# Altium PCB DB10005_BMS.PcbDoc (part 1 of 2)
Units mm, origin at the board's own origin, x right, y up, seen from the top; angles counter-clockwise.
Board outline 100 x 75 mm, 4 copper layers (L1, L2, L3, L4), stack 1.446 mm thick; 270 components, 190 nets, 878 pads, 0 vias.
Unrouted connection lines stored in the file: 462.
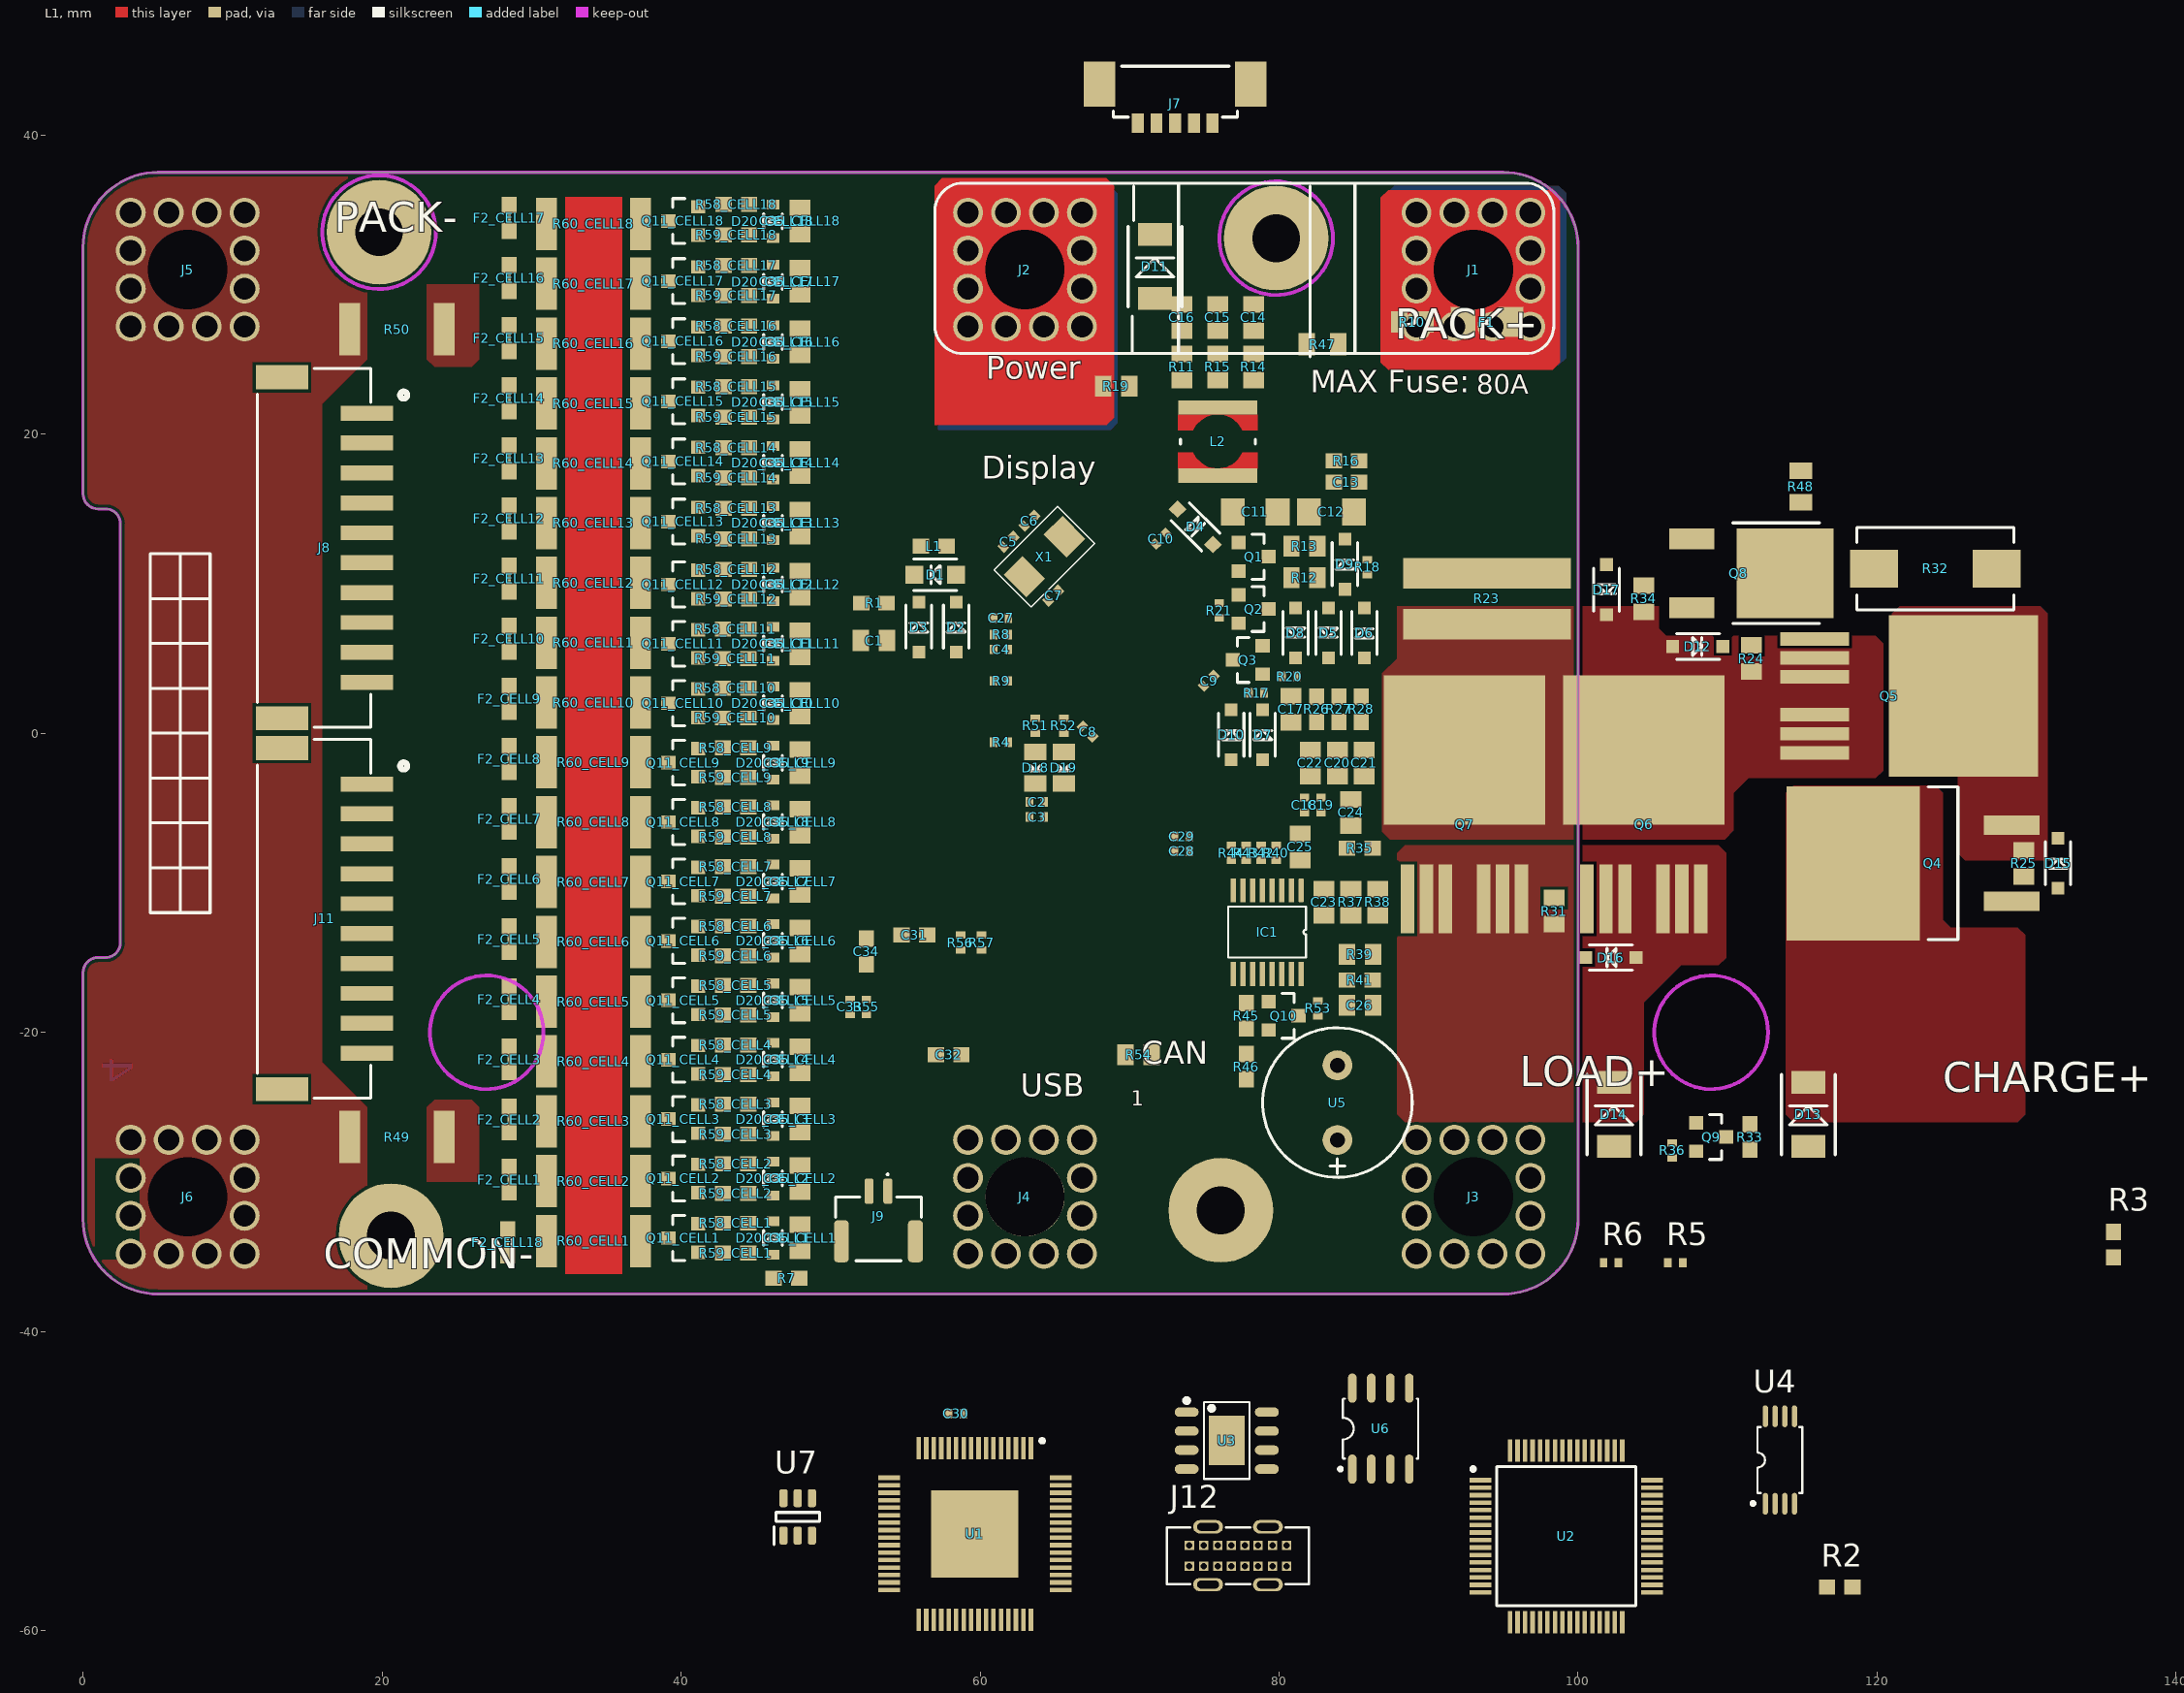
[diagram p0: L1 view]
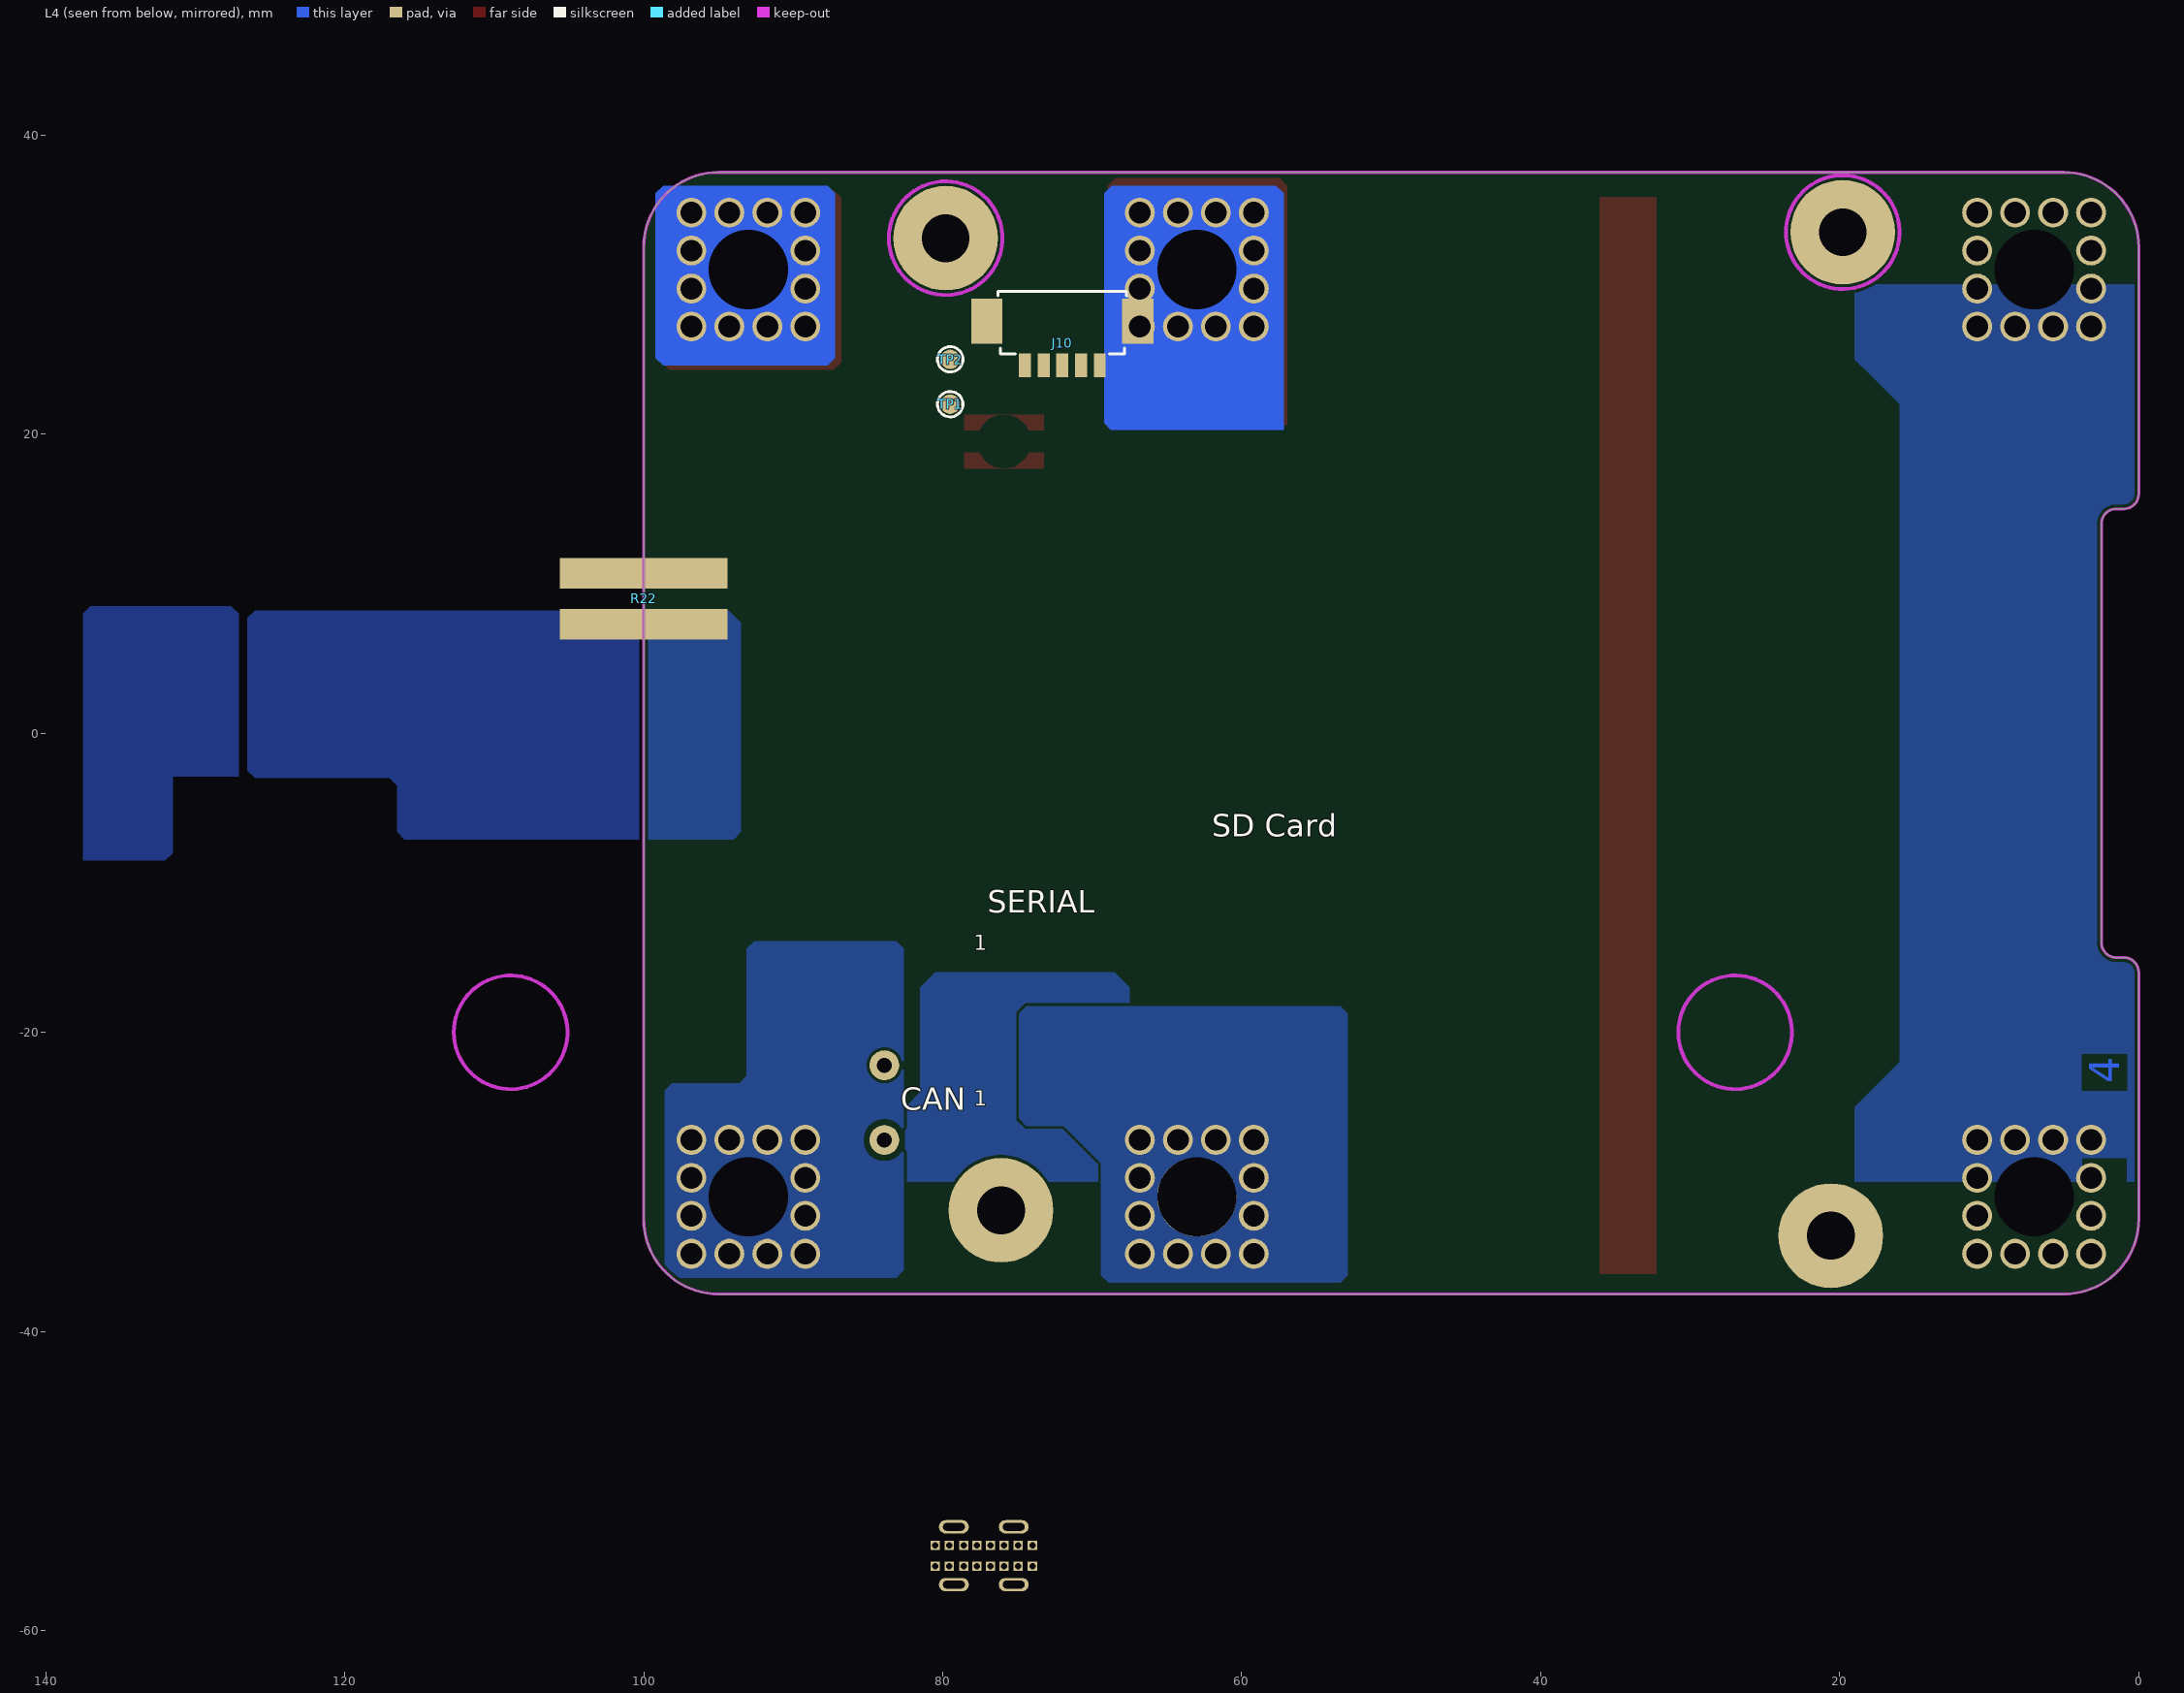
[diagram p1: L4 view, seen from below]
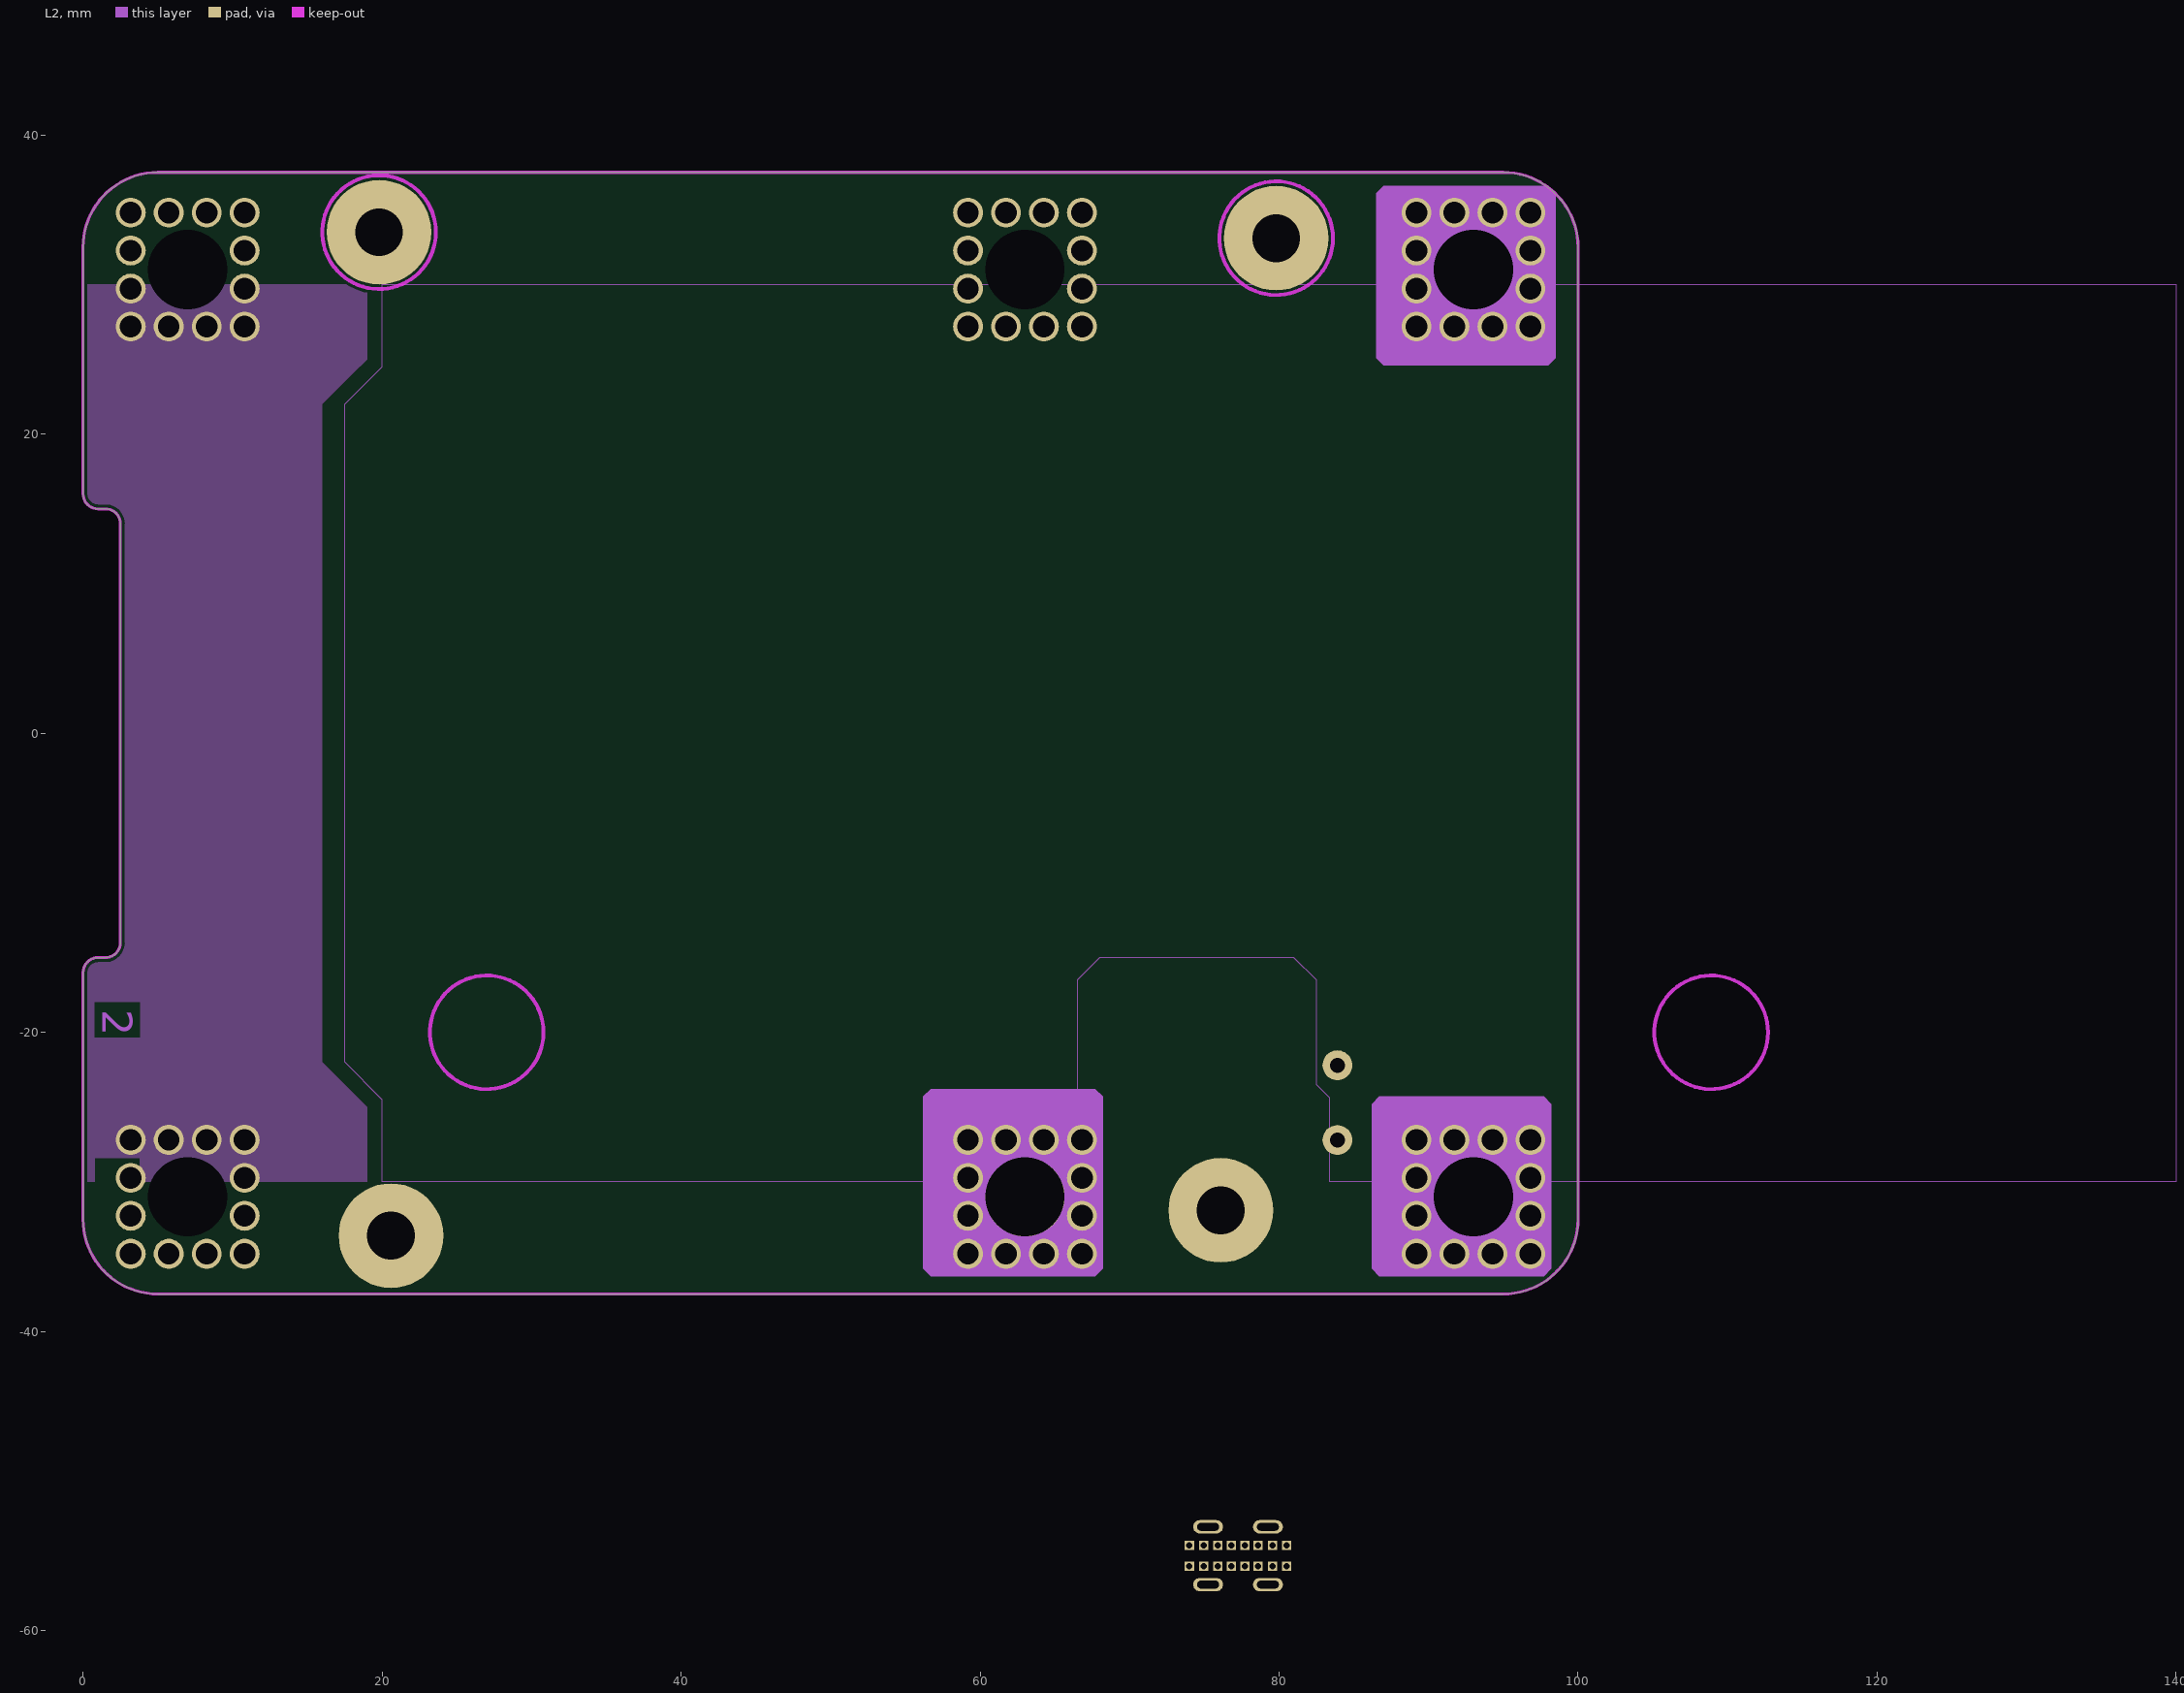
[diagram p2: L2]
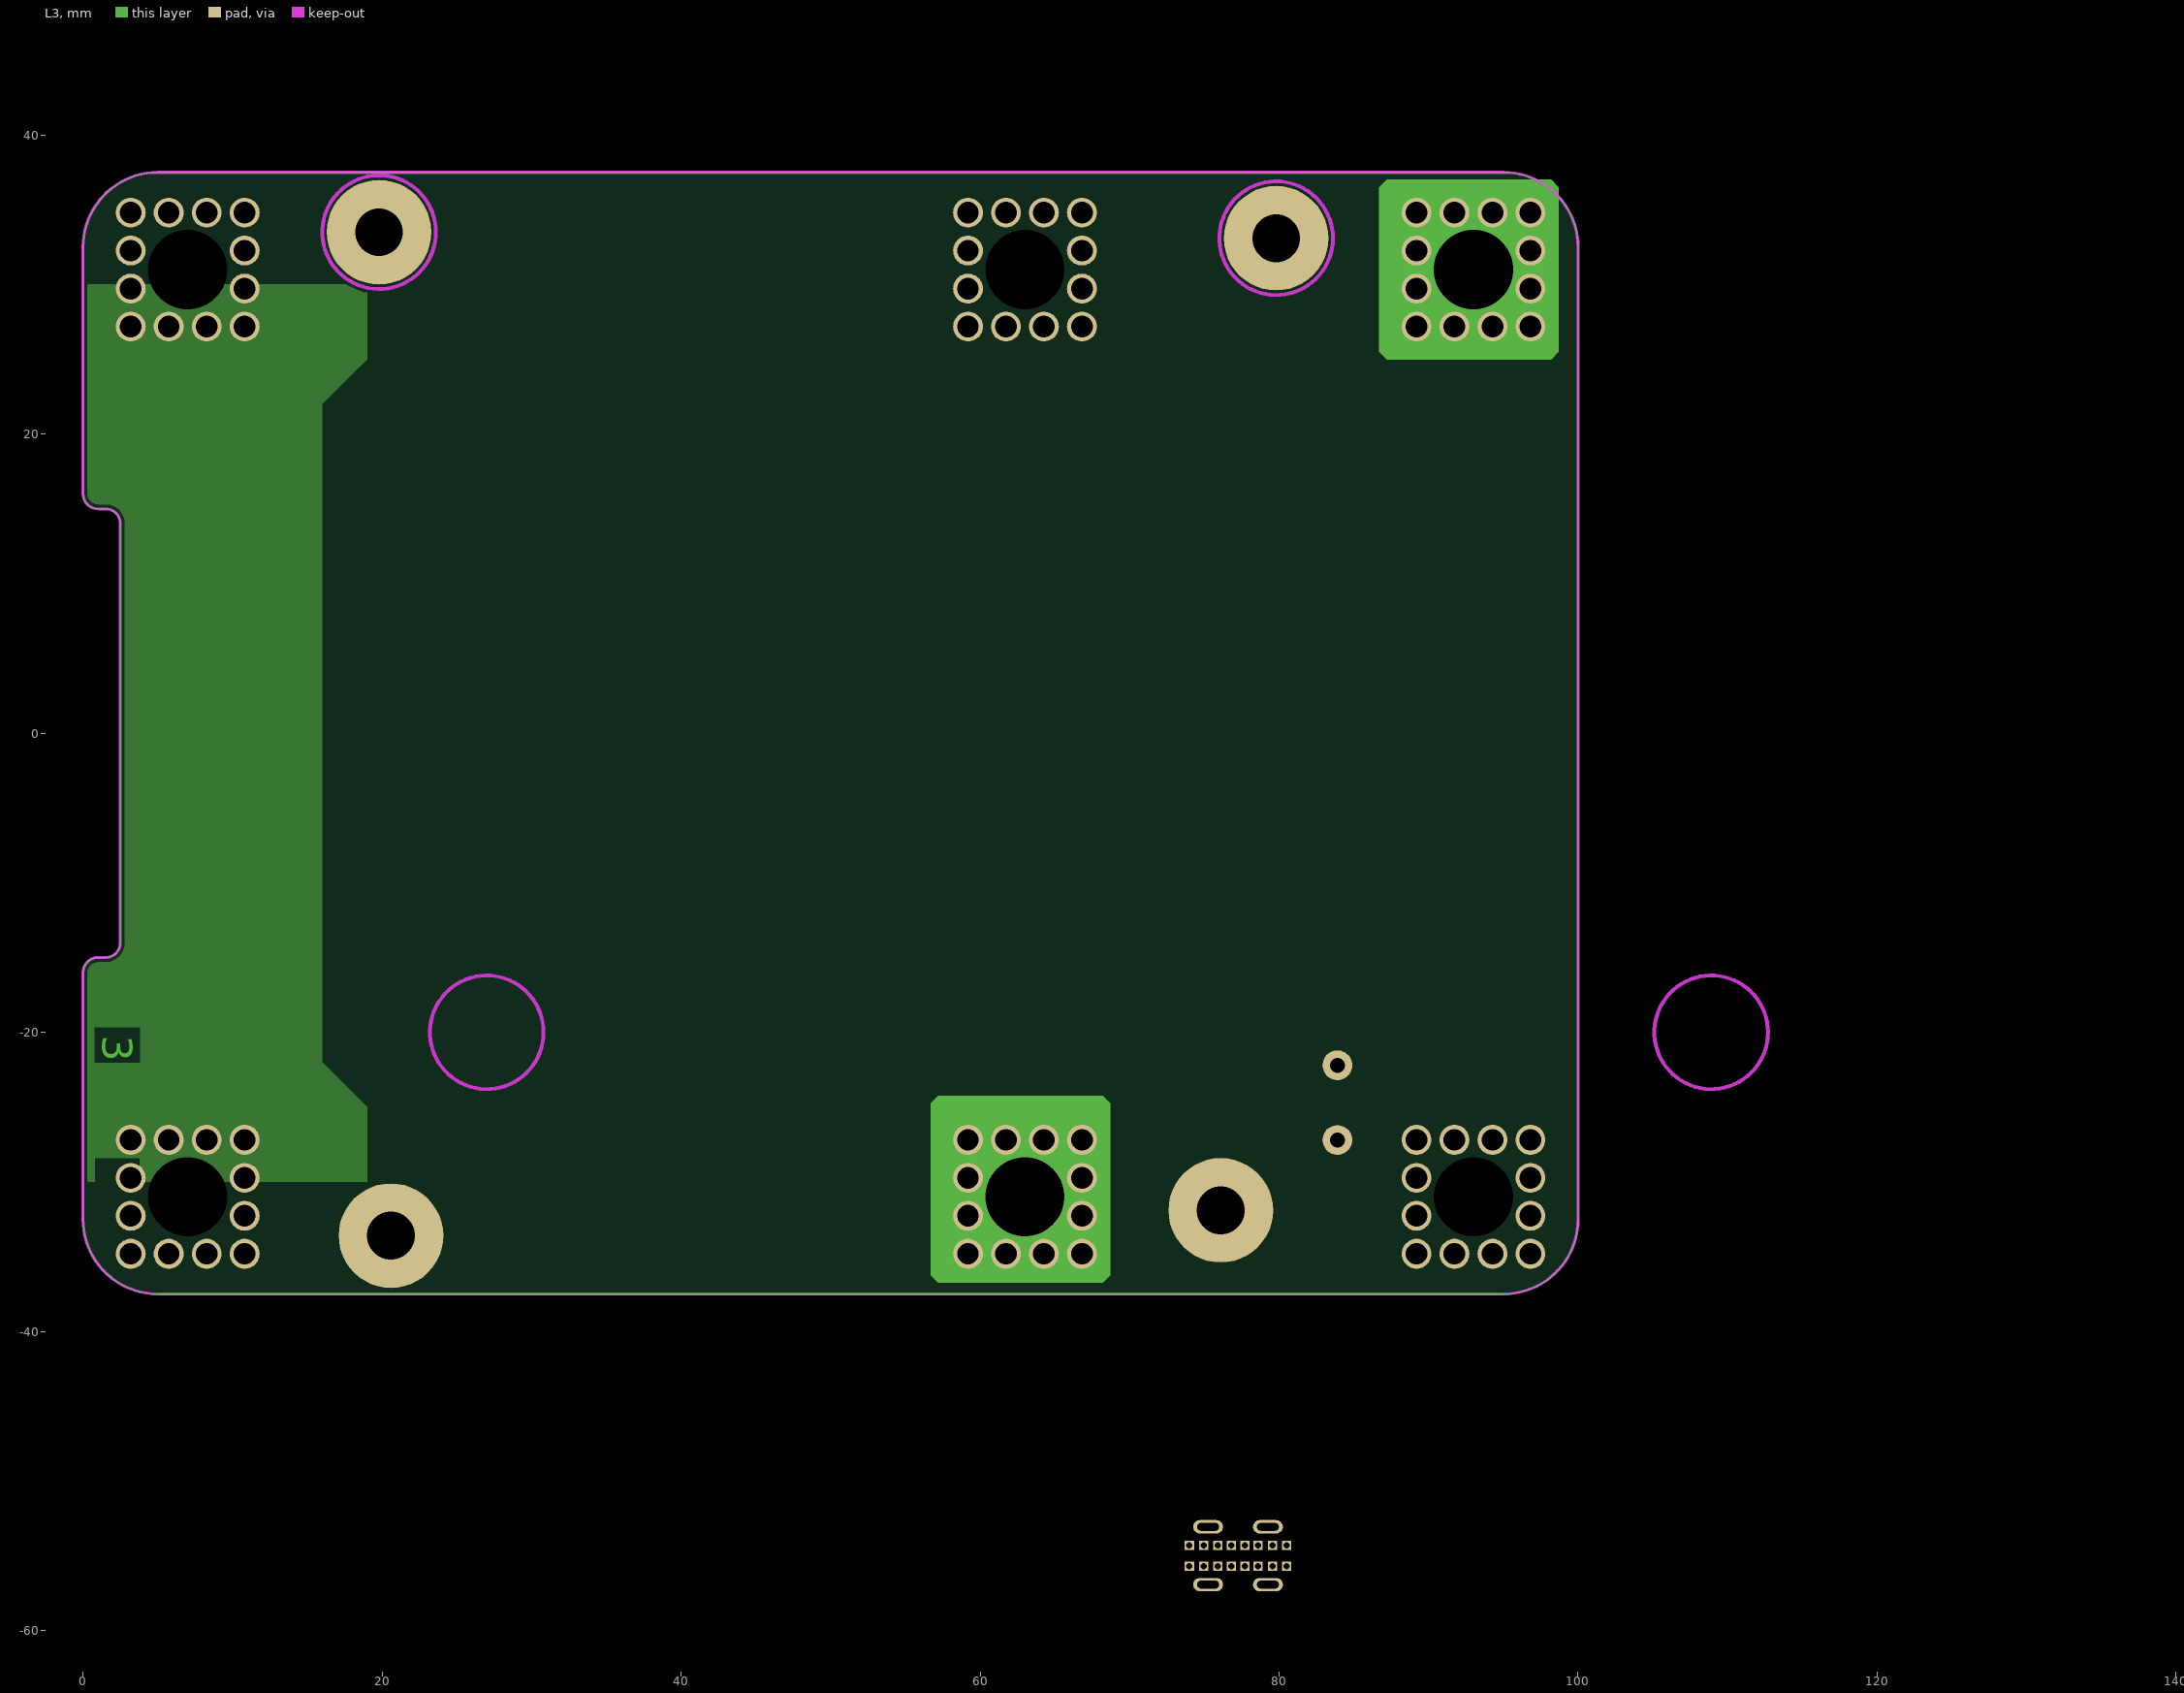
[diagram p3: L3]

## Layer stack, top to bottom
Top Solder: solder mask 0.05, Solder Resist, Dk 3.5
L1: signal copper 0.035
Dielectric 1: prepreg 0.288, FR-4, Dk 4.2
L2: signal copper 0.035
Dielectric 3: core 0.73, Dk 4.2
L3: signal copper 0.035
Dielectric 2: prepreg 0.288, Dk 4.2
L4: signal copper 0.035
Bottom Solder: solder mask 0.05, Solder Resist, Dk 3.5

## Board outline
0,-32.5 0,-16 cw(c1,-16) 1,-15 1.5,-15 ccw(c1.5,-14) 2.5,-14 2.5,14 ccw(c1.5,14) 1.5,15 1,15 cw(c1,16) 0,16 0,32.5 cw(c5,32.5) 5,37.5 95,37.5 cw(c95,32.5) 100,32.5 100,-32.5 cw(c95,-32.5) 95,-37.5 5,-37.5 cw(c5,-32.5)
